# KiCad board MiniCalc_A.kicad_pcb (continued)
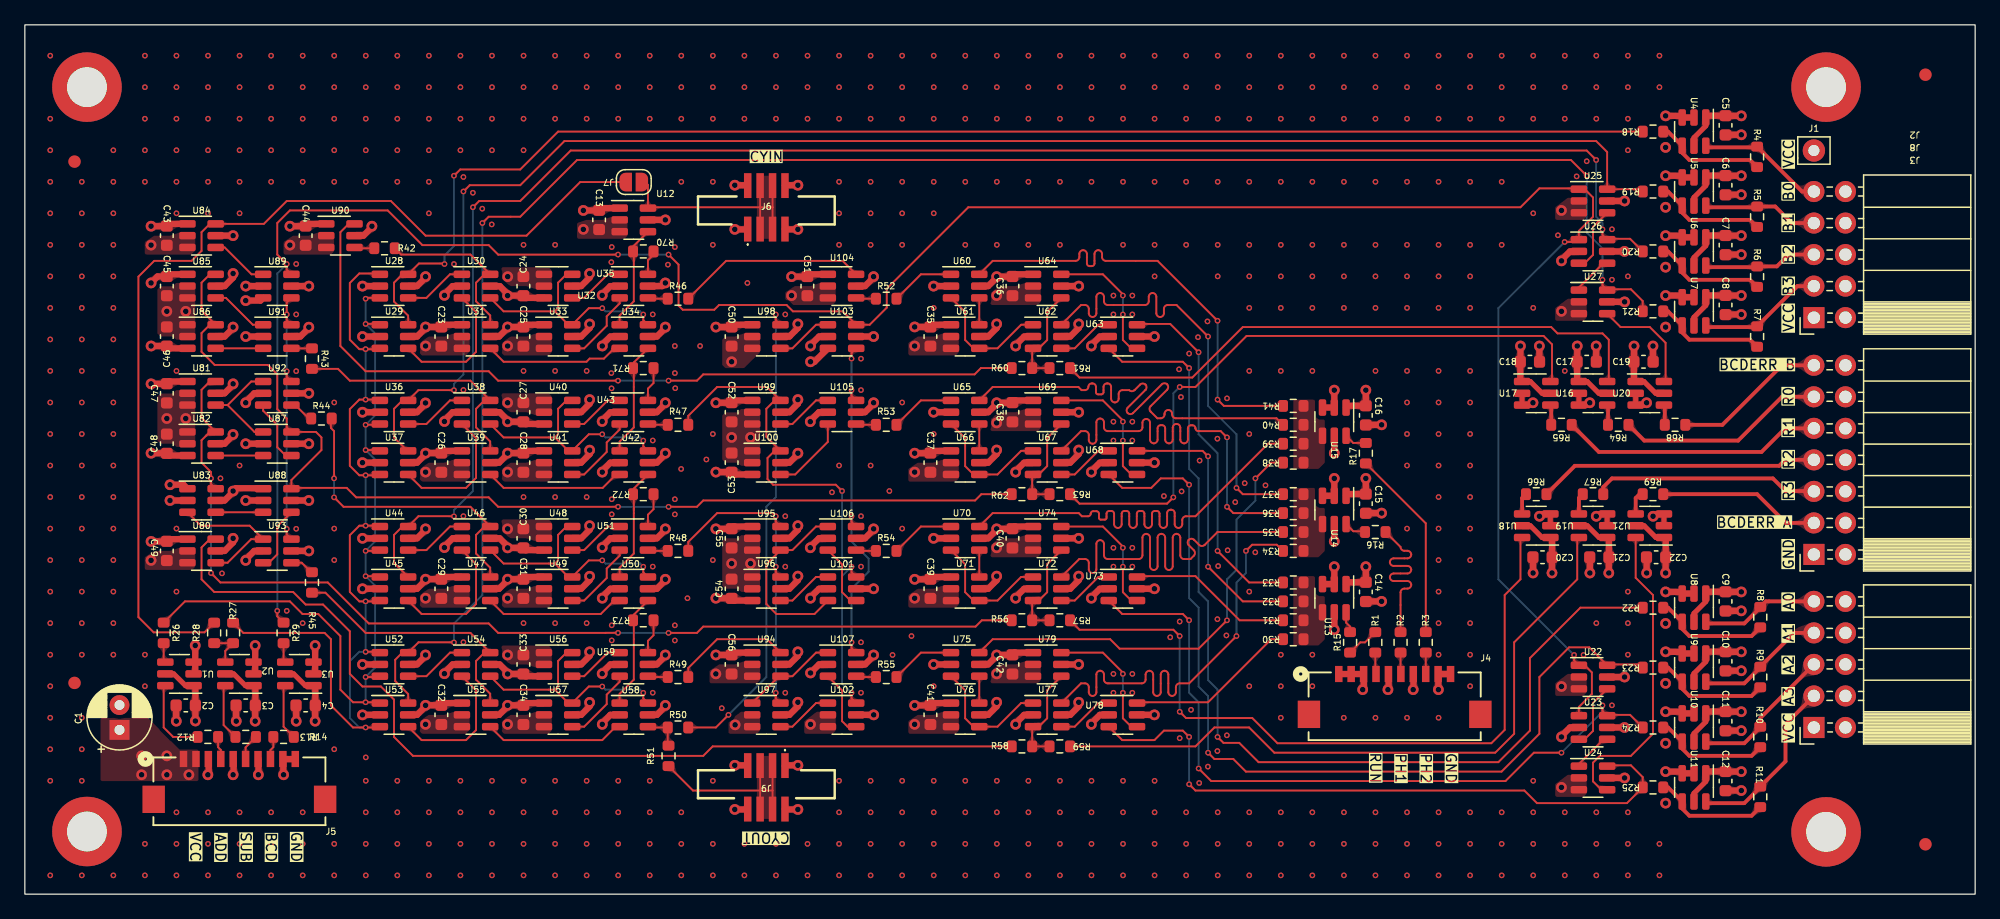
[diagram p0: board, top side]
## Routing (per net, layer and track width the routed paths; a pad name or vN(x,y) marks a point on that pad's centre or on a via; arc(x,y) is an arc through that point) (continued)
/BCDErrA: length 25.1
  Top w0.152: U21.6 129.67,25.49 131.06,24.1 131.06,12.92 129.29,11.14 126.79,11.14 126.24,10.6 126.24,9.09 126.91,8.42 U24.4
/BCDErrB: length 8.8
  Top w0.152: U27.4 128.46,45.69 130.81,45.69 132.08,44.42 132.08,41.44 U20.6
/Cin: length 8.4
  Top w0.152: U34.1 47.88,46.63 49.02,47.76 49.02,51.47 ; U12.4 48.96,52.17 48.96,51.53
/Cin_I: length 19.6
  Top w0.152: 59.18,55.34 59.19,55.35 J6.2 ; 59.18,55.34 59.19,55.33 J6.2 ; 59.18,55.34 50.23,55.34 U12.6 50.16,57.14 49.67,57.63 ; 59.18,55.34 60.2,55.34 60.19,55.35 ; 60.19,55.35 J6.3 ; 60.19,55.35 J6.3
/Cout: length 16.2
  Top w0.152: 60.19,8.34 60.19,6.85 ; 60.19,10.35 60.19,8.36 60.18,8.35 53.78,8.35 R51.1 ; 59.19,6.85 59.19,10.35
/IN0/I: length 6.5
  Top w0.152: R12.2 11.94,12.67 11.18,13.43 11.18,16.67 U1.6
/IN0/O: length 1.6
  Top w0.152: U1.4 11.18,18.83 R26.1
/IN1/I: length 4.6
  Top w0.152: R13.2 16,13.62 16,16.67 U2.6
/IN1/O: length 3.3
  Top w0.152: R28.1 R27.1 16.13,19.6 U2.4
/IN2/I: length 4.5
  Top w0.152: U3.6 20.83,16.67 20.83,13.49 R14.2
/IN2/O: length 1.6
  Top w0.152: U3.4 20.83,18.83 R29.1
/IN3/I: length 10.3
  Top w0.305: J2.9 143.06,56.61 139.45,60.23 139.38,60.17 135.45,60.17 U4.6
/IN3/O: length 9.1
  Top w0.305: 139.45,58.58 138.87,59.15 133.99,59.15 133.42,59.73 U4.4 132.28,61.44 R18.1
/IN4/I: length 9.3
  Top w0.305: U5.6 135.45,55.34 139.38,55.34 139.45,55.4 140.91,55.4 142.24,54.07 J2.7
/IN4/O: length 9.1
  Top w0.305: R5.2 138.87,54.32 133.99,54.32 133.42,54.9 U5.4 132.28,56.61 R19.1
/IN5/I: length 9.2
  Top w0.305: J2.5 141.99,51.53 141.03,50.58 R6.1 139.38,50.51 135.45,50.51 U6.6
/IN5/O: length 9.1
  Top w0.305: R6.2 138.87,49.5 133.99,49.5 133.42,50.08 U6.4 132.28,51.78 R20.1
/IN6/I: length 10.1
  Top w0.305: U7.6 135.45,45.69 139.38,45.69 R7.1 142.68,48.99 J2.3
/IN6/O: length 9.1
  Top w0.305: R21.1 132.28,46.96 U7.4 133.42,45.25 133.99,44.67 138.87,44.67 R7.2
/IN7/I: length 9.5
  Top w0.305: J3.9 140.15,23.59 R8.1 139.7,23.09 138.42,21.81 135.45,21.81 U8.6
/IN7/O: length 9.4
  Top w0.305: R22.1 132.28,23.08 U8.4 133.42,21.37 133.99,20.8 139,20.8 R8.2
/IN8/I: length 10.6
  Top w0.305: J3.7 142.43,21.05 R9.1 139.7,18.27 138.42,16.99 135.45,16.99 U9.6 135.39,17.05
/IN8/O: length 9.4
  Top w0.305: 139.7,16.67 139,15.97 133.99,15.97 133.42,16.55 U9.4 132.28,18.26 R23.1
/IN9/I: length 11.9
  Top w0.305: J3.5 139.7,14.19 R10.1 139.7,13.44 138.42,12.16 135.45,12.16 U10.6 135.39,12.22
/IN9/O: length 9.4
  Top w0.305: R24.1 132.28,13.43 U10.4 133.42,11.72 133.99,11.14 139,11.14 R10.2
/IN10/I: length 14.2
  Top w0.305: 135.39,7.4 U11.6 135.45,7.33 138.42,7.33 139.7,8.62 R11.1 141.73,10.7 141.73,13.68 J3.3
/IN10/O: length 9.4
  Top w0.305: R25.1 132.28,8.6 U11.4 133.42,6.9 133.99,6.32 139,6.32 R11.2
/IN12/I: length 1.7
  Top w0.152: U13.6 106.36,21.88 106.68,21.56 R15.2
/IN13/I: length 1.8
  Top w0.152: 107.95,29.24 106.94,29.24 U14.6
/IN14/I: length 1.8
  Top w0.152: R17.2 106.94,36.35 U15.6
/Mini_6+/E: length 21.7
  Top w0.152: U92.6 21.08,41.68 v1(21.08,42.13) ; U93.6 21.08,28.98 v1(21.08,29.43) ; U89.4 21.08,47.66 v1(21.08,46.7) 21.08,46.25 U91.6
  Bottom w0.152: v1(21.08,46.7) v1(21.08,42.13) v1(21.08,29.43)
/Mini_6+/I0: length 66.2
  Top w0.152: v1(51.82,41.37) 54.11,41.37 54.61,41.88 76.45,41.88 76.96,42.39 R60.1 ; v1(47.75,41.37) 38.1,41.37 37.34,42.13 27.43,42.13 25.4,44.16 25.4,53.33 26.07,54 U90.6
  Bottom w0.152: v1(47.75,41.37) 51.82,41.37 v1(51.82,41.37)
/Mini_6+/I1: length 87
  Top w0.152: U85.6 14.9,49.94 14.22,49.27 14.22,47.01 U86.6 14.89,45.88 14.22,45.21 14.22,43.7 15.28,42.64 19.56,42.64 20.32,41.88 20.32,39.08 21.08,38.32 21.08,37.62 U87.6 23.43,37.24 23.88,36.8 23.88,35.78 21.46,33.36 U88.6 21.52,32.73 25.91,32.73 26.67,31.97 37.34,31.97 38.1,31.21 47.75,31.21 ; R62.1 77,32.23 76.49,31.72 54.61,31.72 54.1,31.21 51.82,31.21 ; 47.75,31.21 47.75,31.21
  Bottom w0.152: v1(51.82,31.21) 47.76,31.21 47.75,31.21
  vias: v1(47.75,31.21)
/Mini_6+/I2: length 85.6
  Top w0.152: R56.1 77.04,22.07 76.53,21.56 54.61,21.56 54.1,21.05 v1(51.82,21.05) ; U83.6 14.99,33.04 v1(14.99,33.5) 14.99,34 14.22,34.77 14.22,36.57 14.62,36.97 14.63,36.97 14.9,37.24 U82.6 14.22,38.38 14.22,40.63 14.89,41.3 U81.6 ; v1(47.75,21.05) 46.74,21.05 46.74,21.05 38.1,21.05 37.34,21.81 27.69,21.81 24.38,25.11 15.74,25.11 v1(14.99,25.87)
  Bottom w0.152: v1(47.75,21.05) 47.76,21.05 v1(51.82,21.05) ; v1(14.99,25.87) v1(14.99,33.5)
/Mini_6+/I3: length 79.2
  Top w0.152: R58.1 55.37,11.91 54.61,11.14 31.24,11.14 29.72,12.67 29.72,15.68 28.66,16.73 27.18,16.73 26.16,17.75 26.16,21.18 24,23.34 22.61,23.34 21.59,24.35 15.24,24.35 14.22,25.37 14.22,27.93 14.89,28.6 U80.6
/Mini_6+/Q0: length 1.6
  Top w0.152: U90.4 26.6,52.04 R42.1
/Mini_6+/Q1: length 1.7
  Top w0.152: U91.4 21.46,43.97 R43.1
/Mini_6+/Q2: length 2
  Top w0.152: R44.1 22.86,38.32 21.78,39.4 U92.4
/Mini_6+/Q3: length 2
  Top w0.152: 23.11,25.94 23.05,25.94 22.29,26.7 U93.4
/Mini_6-//EN: length 38.5
  Top w0.152: R50.2 55.63,13.43 v1(56.64,14.45) ; U98.6 60.45,46.25 v1(60.45,46.7)
  Bottom w0.152: v1(60.45,46.7) 60.45,31.97 59.69,31.21 59.69,17.49 v1(56.64,14.45)
/Mini_6-/E: length 27.9
  Top w0.152: U103.4 66.55,43.6 v1(66.55,43.15) ; 66.91,19.46 66.55,19.83 v1(66.55,20.29) ; U106.6 66.55,29.99 v1(66.55,30.45) ; v1(66.55,40.61) 66.55,40.15 U105.6
  Bottom w0.152: v1(66.55,43.15) v1(66.55,40.61) v1(66.55,30.45) 66.55,28.42 67.92,27.04 67.92,25.98 66.55,24.61 v1(66.55,20.29)
/Mini_6-/I0: length 15.2
  Top w0.152: U104.6 65.83,51.02 56.45,51.02 R46.2
/Mini_6-/I1: length 43.4
  Top w0.152: v1(66.55,16.22) 66.55,15.77 U102.6 ; v1(65.79,32.48) 65.28,32.99 60.24,32.99 59.78,33.44 59.78,35.14 60.36,35.72 U100.6 59.69,36.85 59.69,39.11 60.36,39.78 U99.6 59.75,40.86 55.73,40.86 53.4,38.54 R47.2 ; U101.6 66.55,25.93 v1(66.55,26.38)
  Bottom w0.152: v1(65.79,32.48) 65.79,27.15 v1(66.55,26.38) 65.79,25.62 65.79,16.99 v1(66.55,16.22)
/Mini_6-/I2: length 26
  Top w0.152: R48.2 53.4,28.38 55.73,30.7 60.2,30.7 v1(60.45,30.45) 60.45,30 U95.6 ; v1(60.45,26.38) 60.45,25.93 U96.6 ; v1(60.45,16.22) 60.45,15.77 U97.6
  Bottom w0.152: v1(60.45,30.45) v1(60.45,26.38) v1(60.45,16.22)
/Mini_6-/I3: length 9.6
  Top w0.152: R49.2 53.4,18.22 55.73,20.54 59.75,20.54 U94.6
/Mini_6-/Q0: length 1.6
  Top w0.152: U104.4 66.98,47.97 R52.1
/Mini_6-/Q1: length 1.6
  Top w0.152: U105.4 66.98,37.81 R53.1
/Mini_6-/Q2: length 1.6
  Top w0.152: U106.4 66.98,27.65 R54.1
/Mini_6-/Q3: length 1.6
  Top w0.152: 66.91,17.56 66.98,17.49 R55.1
/MiniAlu_A_1Bit0/A: length 13.8
  Top w0.152: R42.2 30.29,51.53 35.87,51.53 U30.6 37,49.94 36.32,49.27 36.32,47.76 37.46,46.63 U31.6
/MiniAlu_A_1Bit0/ALUA_Q: length 1.6
  Top w0.152: U35.4 50.23,47.97 51.75,47.97
/MiniAlu_A_1Bit0/Cout: length 9.2
  Top w0.152: U34.4 49.02,42.84 49.02,37.6 47.88,36.47 U42.1
/MiniAlu_A_1Bit1/A: length 20.7
  Top w0.152: R43.2 25.21,42.32 26.16,41.37 35.87,41.37 U38.6 37,39.78 36.32,39.11 36.32,37.6 37.46,36.47 U39.6
/MiniAlu_A_1Bit1/ALUA_Q: length 1.6
  Top w0.152: 51.75,37.81 50.23,37.81 U43.4
/MiniAlu_A_1Bit1/Cout: length 9.4
  Top w0.152: U42.4 49.02,32.68 49.02,30.96 ; 49.02,31.15 49.02,27.44 47.88,26.31 U50.1
/MiniAlu_A_1Bit2/A: length 25.3
  Top w0.152: R44.2 24.64,38.26 24.64,37.56 24.89,37.31 v1(24.89,33.5) ; U47.6 37.46,26.31 36.32,27.44 36.32,28.95 37,29.62 U46.6 35.87,31.21 25.65,31.21 v1(24.89,31.97)
  Bottom w0.152: v1(24.89,33.5) v1(24.89,31.97)
/MiniAlu_A_1Bit2/ALUA_Q: length 1.6
  Top w0.152: U51.4 50.23,27.65 51.75,27.65
/MiniAlu_A_1Bit2/Cout: length 9.2
  Top w0.152: U58.1 47.88,16.15 49.02,17.28 49.02,22.52 U50.4
/MiniAlu_A_1Bit3/A: length 21.6
  Top w0.152: R45.2 24.19,24.29 27.43,21.05 35.87,21.05 U54.6 37,19.46 36.32,18.79 36.32,17.28 37.46,16.15 U55.6
/MiniAlu_A_1Bit3/ALUA_Q: length 1.6
  Top w0.152: U59.4 50.23,17.49 51.75,17.49
/MiniAlu_A_1Bit3/Cout: length 3.1
  Top w0.152: R51.2 51.75,12.03 51.75,13.43 50.23,13.43 U58.4
/MiniReg_A_1Bit0/ALUA: length 5.2
  Top w0.152: 72.14,49.94 U60.1 ; 70.17,47.97 72.13,49.94
/MiniReg_A_1Bit0/RESULT: length 8.3
  Top w0.152: R61.2 R60.2 81.09,43.91 U62.3 81.62,43.98 82.3,44.65 82.3,46.9 U64.4
/MiniReg_A_1Bit1/ALUA: length 5.2
  Top w0.152: U65.1 72.13,39.78 70.17,37.81
/MiniReg_A_1Bit1/RESULT: length 8.3
  Top w0.152: U69.4 82.3,36.74 82.3,34.49 81.62,33.82 U67.3 81.09,33.75 R62.2 R63.2
/MiniReg_A_1Bit2/ALUA: length 5.2
  Top w0.152: U70.1 72.13,29.62 70.17,27.65
/MiniReg_A_1Bit2/RESULT: length 8.3
  Top w0.152: R57.2 R56.2 81.09,23.59 U72.3 81.62,23.66 82.3,24.33 82.3,26.58 U74.4
/MiniReg_A_1Bit3/ALUA: length 5.2
  Top w0.152: U75.1 72.13,19.46 70.17,17.49
/MiniReg_A_1Bit3/RESULT: length 8.3
  Top w0.152: U79.4 82.3,16.42 82.3,14.17 81.62,13.5 U77.3 81.09,13.43 R58.2 R59.2
/OUT0/O: length 16.9
  Top w0.305: R64.1 130.36,36.54 137.92,36.54 141.45,40.07 J8.11
/OUT1/O: length 21.2
  Top w0.305: R65.1 126.71,35.63 139.8,35.63 141.7,37.53 J8.9
/OUT2/O: length 22.7
  Top w0.305: 122.49,32.23 124.78,34.51 141.22,34.51 141.7,34.99 J8.7
/OUT3/O: length 18.2
  Top w0.305: 127.06,32.23 127.06,32.8 127.76,33.5 140.72,33.5 141.73,32.48 143.99,32.48 J8.5
/OUT4/O: length 12.3
  Top w0.305: R68.1 136.65,37.81 141.45,42.61 J8.13
/OUT5/O: length 13.1
  Top w0.305: R69.1 139.45,32.23 141.76,29.91 J8.3
/PH1A0: length 36.8
  Top w0.152: v1(97.54,32.73) 98.04,32.23 R37.2 ; U62.6 85.02,47.47 85.34,47.47 arc(85.56,47.38) 85.65,47.16 85.65,46.8 arc(85.74,46.59) 85.95,46.5 arc(86.17,46.59) 86.26,46.8 86.26,48.13 arc(86.35,48.34) 86.56,48.43 arc(86.78,48.34) 86.87,48.13 86.87,47.77 arc(86.96,47.56) 87.17,47.47 90.17,47.47 arc(90.39,47.56) 90.47,47.77 90.47,48.13 arc(90.56,48.34) 90.78,48.43 arc(91,48.34) 91.08,48.13 91.08,46.8 arc(91.17,46.59) 91.39,46.5 arc(91.6,46.59) 91.69,46.8 91.69,47.16 arc(91.78,47.38) 92,47.47 92.71,47.47 v1(95.25,44.93)
  Bottom w0.152: v1(95.25,44.93) 95.25,39.34 97.54,37.05 v1(97.54,32.73)
/PH1A1: length 36.8
  Top w0.152: v1(96.77,31.21) 97.28,30.7 R36.2 ; U67.6 85.02,37.31 85.34,37.31 arc(85.56,37.22) 85.65,37 85.65,36.59 arc(85.74,36.38) 85.95,36.29 arc(86.17,36.38) 86.26,36.59 86.26,38.02 arc(86.35,38.23) 86.56,38.32 arc(86.78,38.23) 86.87,38.02 86.87,37.61 arc(86.96,37.4) 87.17,37.31 89.66,37.31 arc(89.88,37.4) 89.97,37.61 89.97,37.99 arc(90.06,38.2) 90.27,38.29 arc(90.49,38.2) 90.58,37.99 90.58,36.63 arc(90.67,36.41) 90.88,36.32 arc(91.1,36.41) 91.19,36.63 91.19,37.54 arc(91.26,37.71) 91.42,37.78 91.56,37.78 arc(91.73,37.71) 91.8,37.54 91.8,36.63 arc(91.88,36.41) 92.1,36.32 arc(92.32,36.41) 92.41,36.63 92.41,37.59 arc(92.49,37.8) 92.69,37.88 92.73,37.88 arc(92.93,37.8) 93.01,37.59 93.01,36.63 arc(93.1,36.41) 93.32,36.32 arc(93.54,36.41) 93.62,36.63 93.62,37.54 arc(93.69,37.71) 93.86,37.78 94,37.78 arc(94.17,37.71) 94.23,37.54 arc(94.3,37.37) 94.47,37.31 96.27,37.31 v1(96.77,36.8)
  Bottom w0.152: v1(96.77,36.8) v1(96.77,31.21)
/PH1A2: length 40
  Top w0.152: U72.6 84.88,27 85.34,27 arc(85.56,26.91) 85.65,26.7 85.65,26.18 arc(85.74,25.97) 85.95,25.88 arc(86.17,25.97) 86.26,26.18 86.26,28.22 arc(86.35,28.43) 86.56,28.52 arc(86.78,28.43) 86.87,28.22 86.87,27.3 arc(86.96,27.09) 87.17,27 89.71,27 arc(89.89,27.11) 89.97,27.3 89.97,28.73 arc(90.06,28.94) 90.27,29.03 arc(90.49,28.94) 90.58,28.73 90.58,26.42 arc(90.67,26.21) 90.88,26.12 arc(91.1,26.21) 91.19,26.42 91.19,28.73 arc(91.28,28.94) 91.49,29.03 arc(91.71,28.94) 91.8,28.73 91.8,26.42 arc(91.88,26.21) 92.1,26.12 arc(92.32,26.21) 92.41,26.42 92.41,28.73 arc(92.49,28.94) 92.71,29.03 arc(92.93,28.94) 93.01,28.73 93.01,27.3 arc(93.1,27.09) 93.32,27 93.83,27 94.11,27.27 arc(94.2,27.49) 94.11,27.7 93.69,28.12 arc(93.6,28.33) 93.69,28.55 arc(93.91,28.64) 94.12,28.55 94.54,28.14 arc(94.75,28.05) 94.97,28.14 96.01,29.18 R35.2 101.18,29.28
/PH1A3: length 37
  Top w0.152: U77.6 85.02,16.99 85.34,16.99 arc(85.56,16.9) 85.65,16.68 85.65,16.27 arc(85.74,16.06) 85.95,15.97 arc(86.17,16.06) 86.26,16.27 86.26,17.7 arc(86.35,17.91) 86.56,18 arc(86.78,17.91) 86.87,17.7 86.87,17.29 arc(86.96,17.08) 87.17,16.99 89.92,16.99 arc(90.13,17.08) 90.22,17.29 90.22,17.69 arc(90.31,17.91) 90.53,18 arc(90.74,17.91) 90.83,17.69 90.83,16.28 arc(90.92,16.06) 91.14,15.97 arc(91.35,16.06) 91.44,16.28 91.44,17.69 arc(91.53,17.91) 91.74,18 arc(91.96,17.91) 92.05,17.69 92.05,16.28 arc(92.14,16.06) 92.35,15.97 arc(92.57,16.06) 92.66,16.28 92.66,16.68 arc(92.75,16.9) 92.96,16.99 93.73,16.99 v1(97.54,20.8) ; v1(98.3,27.65) 98.8,28.15 100.79,28.15 R34.2
  Bottom w0.152: v1(98.3,27.65) 98.3,25.88 97.54,25.11 v1(97.54,20.8)
/PH2A0: length 36.8
  Top w0.152: v1(96.01,46.2) 91.19,51.02 87.02,51.02 arc(86.8,51.11) 86.72,51.33 86.72,51.58 arc(86.63,51.79) 86.41,51.88 arc(86.2,51.79) 86.11,51.58 86.11,50.81 arc(86.04,50.66) 85.9,50.6 85.71,50.6 arc(85.56,50.66) 85.5,50.81 85.5,51.58 arc(85.41,51.79) 85.19,51.88 arc(84.98,51.79) 84.89,51.58 84.89,51.33 arc(84.8,51.11) 84.58,51.02 77.91,51.02 U60.6 ; v1(96.01,39.85) 96.52,39.34 R41.2
  Bottom w0.152: v1(96.01,46.2) v1(96.01,39.85)
/PH2A1: length 39.9
  Top w0.152: R40.2 100.76,38.34 92.66,38.34 arc(92.44,38.43) 92.35,38.65 92.35,38.71 arc(92.27,38.92) 92.05,39.01 arc(91.83,38.92) 91.74,38.71 91.74,38.65 arc(91.66,38.43) 91.44,38.34 91.17,38.34 90.62,38.88 arc(90.53,39.1) 90.62,39.31 91.95,40.64 arc(92.04,40.86) 91.95,41.08 arc(91.74,41.16) 91.52,41.08 89.21,38.76 arc(88.99,38.67) 88.78,38.76 arc(88.69,38.98) 88.78,39.19 90.21,40.62 arc(90.3,40.84) 90.21,41.05 arc(89.99,41.14) 89.78,41.05 89.33,40.61 arc(89.12,40.52) 88.9,40.61 88.36,40.61 arc(88.14,40.52) 88.05,40.3 88.05,39.92 arc(87.96,39.71) 87.75,39.62 arc(87.53,39.71) 87.44,39.92 87.44,40.88 arc(87.36,41.07) 87.17,41.15 87.1,41.15 arc(86.91,41.07) 86.83,40.88 86.83,40.44 arc(86.78,40.32) 86.66,40.27 86.39,40.27 arc(86.27,40.32) 86.22,40.44 86.22,40.88 arc(86.14,41.07) 85.95,41.15 85.88,41.15 arc(85.69,41.07) 85.61,40.88 arc(85.53,40.69) 85.34,40.61 85.06,40.61 84.81,40.86 77.91,40.86 U65.6
/PH2A2: length 39.9
  Top w0.152: U70.6 77.91,30.7 84.84,30.7 85.09,30.45 85.6,30.45 arc(85.74,30.51) 85.8,30.65 arc(85.86,30.8) 86.01,30.86 86.26,30.86 arc(86.41,30.8) 86.47,30.65 86.47,30.31 arc(86.51,30.22) 86.6,30.18 86.94,30.18 arc(87.04,30.22) 87.08,30.31 87.08,30.66 arc(87.14,30.81) 87.29,30.87 87.47,30.87 arc(87.62,30.81) 87.68,30.66 87.68,29.81 arc(87.77,29.59) 87.99,29.51 arc(88.21,29.59) 88.29,29.81 88.29,30.66 arc(88.36,30.81) 88.51,30.87 88.69,30.87 arc(88.84,30.81) 88.9,30.66 88.9,29.81 arc(88.99,29.59) 89.21,29.51 arc(89.42,29.59) 89.51,29.81 89.51,30.66 arc(89.58,30.81) 89.72,30.87 89.91,30.87 arc(90.06,30.81) 90.12,30.66 90.12,29.81 arc(90.21,29.59) 90.43,29.51 arc(90.64,29.59) 90.73,29.81 90.73,30.66 arc(90.79,30.81) 90.94,30.87 91.13,30.87 arc(91.28,30.81) 91.34,30.66 91.34,29.81 arc(91.43,29.59) 91.65,29.51 arc(91.86,29.59) 91.95,29.81 91.95,30.71 arc(92.03,30.9) 92.21,30.97 92.3,30.97 arc(92.48,30.9) 92.56,30.71 92.56,29.81 arc(92.65,29.59) 92.87,29.51 arc(93.08,29.59) 93.17,29.81 93.17,30.14 arc(93.26,30.36) 93.48,30.45 94.23,30.45 100.08,36.29 R39.2
/PH2A3: length 36.8
  Top w0.152: U75.6 77.91,20.54 87.37,20.54 88.13,19.78 94.49,19.78 v1(96.77,22.07) ; v1(99.06,33.5) 100.33,34.77 R38.2
  Bottom w0.152: v1(99.06,33.5) 99.06,31.72 97.54,30.19 97.54,26.13 96.77,25.37 v1(96.77,22.07)
/RESULT0: length 49.2
  Top w0.152: R61.1 84.9,41.62 93.98,41.62 98.04,45.69 122.87,45.69 123.38,45.18 127,45.18 127.51,44.67 127.51,41.44 U16.6
/RESULT1: length 53
  Top w0.152: v1(92.46,31.97) 91.95,31.46 84.9,31.46 R63.1 ; U17.6 122.94,41.44 122.94,44.3 122.26,44.98 98.35,44.98 94.23,40.86 v1(92.96,40.86)
  Bottom w0.152: v1(92.46,31.97) 92.46,40.35 v1(92.96,40.86)
/RESULT2: length 59.7
  Top w0.152: 120.06,28.74 U18.6 120.4,28.6 120.4,25.37 119.13,24.1 119.13,13.23 118.05,12.16 100.84,12.16 98.81,14.19 93.47,14.19 v1(92.96,14.7) ; v1(92.96,20.8) 92.46,21.3 84.9,21.3 R57.1
  Bottom w0.152: v1(92.96,20.8) v1(92.96,14.7)
/RESULT3: length 55.8
  Top w0.152: R59.1 94.23,11.91 95.76,13.43 98.55,13.43 100.58,11.4 118.36,11.4 119.89,12.92 119.89,20.29 124.97,25.37 124.97,28.6 U19.6
/RUNA0: length 28.9
  Top w0.152: R33.2 98.55,25.11 v1(96.01,27.65) ; v1(94.49,43.66) 92.2,45.94 89.6,45.94 U63.6
  Bottom w0.152: v1(96.01,27.65) 96.01,35.53 94.49,37.05 v1(94.49,43.66)
/RUNA1: length 22.1
  Top w0.152: v1(95.25,26.38) 98.04,23.59 R32.2 ; 89.6,35.78 U68.6 94.81,35.72 v1(95.25,35.27)
  Bottom w0.152: v1(95.25,35.27) v1(95.25,26.38)
/RUNA2: length 13.3
  Top w0.152: 101.31,22.07 97.79,22.07 94.23,25.62 89.6,25.62 U73.6
/RUNA3: length 14.3
  Top w0.152: U78.6 89.6,15.46 95.25,15.46 100.33,20.54 R30.2 100.84,20.54
/SUB: length 69.9
  Top w0.152: U29.3 28.51,43.91 v1(27.43,43.91) 26.92,43.91 26.16,44.67 26.16,49.24 26.92,50.01 28.51,50.01 U28.1 ; U44.1 28.51,29.69 v1(27.43,29.69) 26.92,29.69 26.16,28.92 26.16,24.35 26.92,23.59 v1(27.43,23.59) 28.51,23.59 U45.3 ; U36.1 28.51,39.85 v1(27.43,39.85) 26.92,39.85 26.16,39.08 26.16,34.51 26.92,33.75 v1(27.43,33.75) 28.51,33.75 U37.3 ; 16.76,21.88 17.59,21.05 24.13,21.05 24.64,20.54 24.64,15.21 26.42,13.43 v1(27.43,13.43) 28.51,13.43 U53.3 ; U52.1 28.51,19.53 v1(27.43,19.53)
  Bottom w0.152: v1(27.43,43.91) v1(27.43,39.85) ; v1(27.43,23.59) v1(27.43,19.53) 26.92,19.53 26.16,18.76 26.16,14.19 26.92,13.43 v1(27.43,13.43) ; v1(27.43,29.69) v1(27.43,33.75)
/SUB_I: length 80.1
  Top w0.152: U84.6 14.89,54 14.22,53.33 14.22,51.82 13.42,51.02 10.41,51.02 9.14,49.75 9.14,22.32 10.37,21.09 14.46,21.09 15.24,21.88 ; U84.6 19.24,54 21.08,55.85 29.46,55.85 32.26,53.05 40.39,53.05 44.7,57.37 J7.2 ; U84.6 15.24,54.13
Net-(J4-Pad4): length 1.8
  Top w0.152: R1.1 108.71,17.81 108.79,17.74
Net-(J4-Pad6): length 1.7
  Top w0.152: 110.79,17.74 110.74,17.78 R2.1
Net-(J4-Pad8): length 1.7
  Top w0.152: R3.1 112.78,17.75 112.79,17.74
Net-(J5-Pad4): length 1.9
  Top w0.152: R12.1 15.56,11.84 15.77,11.63 J5.4
Net-(J5-Pad6): length 2.1
  Top w0.152: R13.1 17.77,11.83 J5.6
Net-(J5-Pad8): length 1.9
  Top w0.152: J5.8 19.77,11.61 20,11.84 R14.1
Net-(R1-Pad2): length 3
  Top w0.152: 106.43,19.46 R15.1 107.5,20.29 107.89,20.29 R1.2
Net-(R16-Pad1): length 15.6
  Top w0.152: R2.2 110.74,24.31 arc(110.83,24.53) 111.05,24.62 111.3,24.62 arc(111.51,24.71) 111.6,24.92 arc(111.51,25.14) 111.3,25.23 110.19,25.23 arc(109.97,25.32) 109.88,25.53 arc(109.97,25.75) 110.19,25.84 111.3,25.84 arc(111.51,25.93) 111.6,26.14 arc(111.51,26.36) 111.3,26.45 110.19,26.45 arc(109.97,26.54) 109.88,26.75 arc(109.97,26.97) 110.19,27.06 111.3,27.06 arc(111.51,27.15) 111.6,27.36 arc(111.51,27.58) 111.3,27.67 111.05,27.67 arc(110.83,27.76) 110.74,27.97 R16.1
Net-(R17-Pad1): length 15.6
  Top w0.152: R3.2 112.78,29.88 R17.1
Net-(R64-Pad2): length 1.6
  Top w0.305: U16.4 127.44,39.33 127.44,37.81
Net-(R65-Pad2): length 1.6
  Top w0.305: R65.2 122.87,39.33 U17.4
Net-(R66-Pad2): length 1.7
  Top w0.305: U18.4 120.53,31.91 R66.2
Net-(R67-Pad2): length 1.7
  Top w0.305: R67.2 125.1,31.91 U19.4
Net-(R68-Pad2): length 1.6
  Top w0.305: U20.4 132.02,39.33 132.02,37.81
Net-(R69-Pad2): length 1.7
  Top w0.305: U21.4 129.67,31.91 129.98,32.23
Net-(R70-Pad1): length 1.8
  Top w0.152: 50.61,51.53 50.16,51.08 U35.6
Net-(R71-Pad1): length 2.8
  Top w0.152: R71.1 50.61,41.18 50.16,40.73 U43.6
Net-(R72-Pad1): length 2.8
  Top w0.152: U51.6 50.16,30.57 50.61,31.02 R72.1
Net-(R73-Pad1): length 2.8
  Top w0.152: U59.6 50.16,20.41 50.61,20.86 R73.1
Net-(U22-Pad4): length 5.3
  Top w0.152: U23.3 125.56,12.48 126.24,13.15 126.24,15.41 U22.4
Net-(U23-Pad4): length 3.3
  Top w0.152: U24.1 125.1,10.49 127.09,12.48 U23.4
Net-(U25-Pad4): length 5.3
  Top w0.152: U26.3 125.56,50.83 126.24,51.51 126.24,53.76 U25.4
Net-(U26-Pad4): length 3.3
  Top w0.152: U27.1 125.1,48.87 127.07,50.83 U26.4
Net-(U28-Pad4): length 5.1
  Top w0.152: U28.4 32.32,48.04 34.22,49.94 U30.1
Net-(U29-Pad4): length 11.1
  Top w0.152: U29.4 31.94,42.89 35.52,42.89 36.32,43.7 36.32,46.9 U30.3
Net-(U30-Pad4): length 18.8
  Top w0.152: U30.4 38.54,46.96 42.67,46.96 ; v1(46.48,47.21) 45.4,47.21 U33.6 43.75,45.88 42.67,46.96 ; U34.6 49.78,46.25 v1(49.78,46.7) ; 42.67,46.96 42.93,47.21 42.93,49.27 43.6,49.94 U32.6
  Bottom w0.152: v1(49.78,46.7) 49.53,46.96 46.74,46.96 v1(46.48,47.21)
Net-(U31-Pad4): length 11.4
  Top w0.152: U31.4 38.54,42.89 45.21,42.89 45.47,43.15 46.62,43.15 47.29,43.83 47.29,43.98 U34.3
Net-(U32-Pad4): length 4.6
  Top w0.152: U35.1 46.92,49.94 45.02,48.04 U32.4
Net-(U33-Pad4): length 6.2
  Top w0.152: U35.3 47.88,47.6 46.84,46.55 46.84,45.79 45.02,43.98 U33.4
Net-(U36-Pad4): length 5.1
  Top w0.152: U38.1 34.22,39.78 32.32,37.88 U36.4
Net-(U37-Pad4): length 11.1
  Top w0.152: U38.3 36.32,36.74 36.32,33.54 35.52,32.73 31.94,32.73 U37.4
Net-(U38-Pad4): length 18.8
  Top w0.152: U42.6 49.78,36.09 v1(49.78,36.54) ; U40.6 43.6,39.78 42.93,39.11 42.93,37.05 42.67,36.8 ; v1(46.48,37.05) 45.4,37.05 U41.6 43.75,35.72 42.67,36.8 ; 42.67,36.8 38.54,36.8 U38.4
  Bottom w0.152: v1(49.78,36.54) 49.53,36.8 46.74,36.8 v1(46.48,37.05)
Net-(U39-Pad4): length 11.3
  Top w0.152: U39.4 38.54,32.73 46.52,32.73 47.6,33.82 U42.3
Net-(U40-Pad4): length 4.6
  Top w0.152: U43.1 46.92,39.78 45.02,37.88 U40.4
Net-(U41-Pad4): length 6.2
  Top w0.152: U43.3 47.88,37.44 46.84,36.39 46.84,35.63 45.02,33.82 U41.4
Net-(U44-Pad4): length 5.1
  Top w0.152: U46.1 34.22,29.62 32.32,27.72 U44.4
Net-(U45-Pad4): length 11.1
  Top w0.152: U46.3 36.32,26.58 36.32,23.38 35.52,22.57 31.94,22.57 U45.4
Net-(U46-Pad4): length 18.8
  Top w0.152: U48.6 43.6,29.62 42.93,28.95 42.93,26.89 42.67,26.64 ; v1(46.48,26.89) 45.4,26.89 U49.6 43.75,25.56 42.67,26.64 ; 42.67,26.64 38.54,26.64 U46.4 ; v1(49.78,26.38) 49.78,25.93 U50.6
  Bottom w0.152: v1(49.78,26.38) 49.53,26.64 46.74,26.64 v1(46.48,26.89)
Net-(U47-Pad4): length 11.4
  Top w0.152: U47.4 38.54,22.57 46.36,22.57 47.29,23.51 47.29,23.66 U50.3
Net-(U48-Pad4): length 4.6
  Top w0.152: U51.1 46.92,29.62 45.02,27.72 U48.4
Net-(U49-Pad4): length 6.2
  Top w0.152: U51.3 47.88,27.28 46.84,26.23 46.84,25.47 45.02,23.66 U49.4
Net-(U52-Pad4): length 5.1
  Top w0.152: U54.1 34.22,19.46 32.32,17.56 U52.4
Net-(U53-Pad4): length 11.1
  Top w0.152: U54.3 36.32,16.42 36.32,13.22 35.52,12.41 31.94,12.41 U53.4
Net-(U54-Pad4): length 18.8
  Top w0.152: 42.67,16.48 42.93,16.73 42.93,18.79 43.6,19.46 U56.6 ; 42.67,16.48 38.54,16.48 U54.4 ; 42.67,16.48 43.75,15.4 U57.6 45.4,16.73 v1(46.48,16.73) ; U58.6 49.78,15.77 v1(49.78,16.22)
  Bottom w0.152: v1(49.78,16.22) 49.53,16.48 46.74,16.48 v1(46.48,16.73)
Net-(U55-Pad4): length 11.3
  Top w0.152: U55.4 38.54,12.41 46.48,12.41 47.56,13.5 U58.3
Net-(U56-Pad4): length 4.6
  Top w0.152: U59.1 46.92,19.46 45.02,17.56 U56.4
Net-(U57-Pad4): length 6.2
  Top w0.152: U57.4 45.02,13.5 46.84,15.31 46.84,16.07 47.88,17.12 U59.3
Net-(U60-Pad3): length 10.4
  Top w0.152: U60.3 75.69,46.9 75.69,44.65 76.37,43.98 U61.4 78.3,43.98 80.2,45.88 U62.1
Net-(U60-Pad4): length 2.2
  Top w0.152: U60.4 U61.6
Net-(U62-Pad4): length 4.6
  Top w0.152: U63.1 86.41,45.88 84.51,43.98 U62.4
Net-(U63-Pad4): length 10.7
  Top w0.152: v1(88.39,46.7) 88.39,44.65 89.07,43.98 U63.4 ; v1(88.39,48.23) 88.39,48.33 86.78,49.94 U64.6
  Bottom w0.152: v1(88.39,46.7) v1(88.39,48.23)
Net-(U65-Pad3): length 10.4
  Top w0.152: U67.1 80.2,35.72 78.3,33.82 U66.4 76.37,33.82 75.69,34.49 75.69,36.74 U65.3
Net-(U65-Pad4): length 2.2
  Top w0.152: U65.4 U66.6
Net-(U67-Pad4): length 4.6
  Top w0.152: U67.4 84.51,33.82 86.41,35.72 U68.1
Net-(U68-Pad4): length 10.7
  Top w0.152: U69.6 86.78,39.78 88.39,38.17 v1(88.39,38.07) ; U68.4 89.07,33.82 88.39,34.49 v1(88.39,36.54)
  Bottom w0.152: v1(88.39,36.54) v1(88.39,38.07)
Net-(U70-Pad3): length 10.4
  Top w0.152: U72.1 80.2,25.56 78.3,23.66 U71.4 76.37,23.66 75.69,24.33 75.69,26.58 U70.3
Net-(U70-Pad4): length 2.2
  Top w0.152: U70.4 U71.6
Net-(U72-Pad4): length 4.6
  Top w0.152: U72.4 84.51,23.66 86.41,25.56 U73.1
Net-(U73-Pad4): length 10.7
  Top w0.152: v1(88.39,26.38) 88.39,24.33 89.07,23.66 U73.4 ; U74.6 86.78,29.62 88.39,28.01 v1(88.39,27.91)
  Bottom w0.152: v1(88.39,26.38) v1(88.39,27.91)
Net-(U75-Pad3): length 10.4
  Top w0.152: U75.3 75.69,16.42 75.69,14.17 76.37,13.5 U76.4 78.3,13.5 80.2,15.4 U77.1
Net-(U75-Pad4): length 2.2
  Top w0.152: U75.4 U76.6
Net-(U77-Pad4): length 4.6
  Top w0.152: U77.4 84.51,13.5 86.41,15.4 U78.1
Net-(U78-Pad4): length 10.7
  Top w0.152: v1(88.39,16.22) 88.39,14.17 89.07,13.5 U78.4 ; U79.6 86.78,19.46 88.39,17.85 v1(88.39,17.75)
  Bottom w0.152: v1(88.39,16.22) v1(88.39,17.75)
Net-(U80-Pad4): length 12.1
  Top w0.152: U83.3 14.17,29.69 18.1,29.69 U93.1 18.22,28.6 16.32,26.7 U80.4 14.9,26.7
Net-(U81-Pad4): length 8.4
  Top w0.152: 16.32,39.4 18.22,41.3 U92.1 ; 16.32,39.4 18.49,37.24 U87.1 ; 16.32,39.4 U81.4
Net-(U82-Pad4): length 3.8
  Top w0.152: U82.4 U87.3
Net-(U83-Pad4): length 3.8
  Top w0.152: U83.4 U88.3
Net-(U84-Pad4): length 4.7
  Top w0.152: U89.1 18.25,49.94 16.09,52.1 U84.4
Net-(U85-Pad4): length 4.7
  Top w0.152: U91.1 18.35,45.88 16.19,48.04 U85.4
Net-(U86-Pad4): length 3.8
  Top w0.152: U86.4 U91.3
Net-(U87-Pad4): length 5.3
  Top w0.152: U92.3 19.18,38.95 20.32,37.81 20.32,36.01 20.99,35.34 U87.4
Net-(U88-Pad4): length 5.3
  Top w0.152: U93.3 19.65,26.7 20.32,27.38 20.32,29.63 U88.4
Net-(U100-Pad4): length 6.3
  Top w0.152: U105.3 64.64,36.44 62.01,33.82 U100.4
Net-(U101-Pad1): length 4.6
  Top w0.152: U101.1 63.69,25.56 61.79,23.66 U96.4
Net-(U101-Pad3): length 15.1
  Top w0.152: U101.3 63.57,22.57 60.5,22.57 59.69,23.38 59.69,26.58 U95.4 61.79,27.72 63.69,29.62 U106.1
Net-(U101-Pad4): length 5.3
  Top w0.152: U101.4 66.46,23.66 65.79,24.33 65.79,26.57 U106.3
Net-(U102-Pad1): length 4.6
  Top w0.152: U97.4 61.79,13.5 63.69,15.4 U102.1
Net-(U102-Pad4): length 5.4
  Top w0.152: U102.4 66.23,13.5 65.79,13.94 65.79,16.41 64.64,17.56
Net-(U103-Pad1): length 4.6
  Top w0.152: U103.1 63.69,45.88 61.79,43.98 U98.4
Net-(U105-Pad1): length 4.6
  Top w0.152: U99.4 61.79,37.88 63.69,39.78 U105.1
Net-(U107-Pad1): length 7.8
  Top w0.152: 64.64,19.46 63.69,19.46 61.79,17.56 U94.4 60.72,17.56 U97.1

## Copper pours and planes (outline as drawn; the poured copper is in the pictures)
GND on Top: 123.19,55.34 123.19,54.32 125.48,54.32 125.73,54.57 125.73,56.1 124.21,56.1
GND on Top: 61.98,48.99 61.21,48.48 61.21,47.47 65.02,47.47 65.28,47.72 65.28,49.24 64.01,49.24 63.25,48.99
GND on Top: 32.51,44.93 31.75,44.42 31.75,43.4 35.56,43.4 35.81,43.65 35.81,45.18 34.54,45.18 33.78,44.93
GND on Top: 11.94,48.97 12.16,49.24 13.72,49.24 13.72,44.67 12.19,44.67 11.91,44.93 10.92,44.93 10.67,45.18 10.67,48.73 10.92,48.98
GND on Top: 10.41,27.65 9.65,27.15 9.65,26.13 13.46,26.13 13.72,26.38 13.72,27.91 12.45,27.91 11.68,27.65
GND on Top: 39.12,24.61 38.35,24.1 38.35,23.08 42.16,23.08 42.42,23.33 42.42,24.86 41.15,24.86 40.39,24.61
GND on Top: 32.51,34.77 31.75,34.26 31.75,33.24 35.56,33.24 35.81,33.49 35.81,35.02 34.54,35.02 33.78,34.77
GND on Top: 39.12,34.77 38.35,34.26 38.35,33.24 42.16,33.24 42.42,33.49 42.42,35.02 41.15,35.02 40.39,34.77
GND on Top: 123.19,16.99 123.19,15.97 125.48,15.97 125.73,16.22 125.73,17.75 124.21,17.75
GND on Top: 78.49,38.83 77.72,38.32 77.72,37.31 81.53,37.31 81.79,37.56 81.79,39.08 80.52,39.08 79.76,38.83
GND on Top: 39.12,28.67 38.35,29.18 38.35,30.19 42.16,30.19 42.42,29.94 42.42,28.42 41.15,28.42 40.39,28.67
GND on Top: 57.4,28.67 57.66,28.92 59.18,28.92 59.18,24.35 57.66,24.35 57.4,24.61 56.39,24.61 56.13,24.86 56.13,28.42 56.39,28.67
GND on Top: 55.88,18.51 55.12,18 55.12,16.99 58.93,16.99 59.18,17.24 59.18,18.76 57.91,18.76 57.15,18.51
GND on Top: 71.88,24.61 71.12,24.1 71.12,23.08 74.93,23.08 75.18,23.33 75.18,24.86 73.91,24.86 73.15,24.61
GND on Top: 56.39,44.93 56.13,44.67 56.13,42.64 56.39,42.39 57.9,42.39 59.18,43.65 59.18,45.18 57.91,45.18 57.15,44.93
GND on Top: 78.49,28.67 77.72,28.16 77.72,27.15 81.53,27.15 81.79,27.4 81.79,28.92 80.52,28.92 79.76,28.67
GND on Top: 21.59,53.05 20.83,52.55 20.83,51.53 24.64,51.53 24.89,51.78 24.89,53.31 23.62,53.31 22.86,53.05
GND on Top: 56.64,13.94 56.64,12.92 58.93,12.92 59.18,13.17 59.18,14.7 57.66,14.7
GND on Top: 78.49,18.51 77.72,18 77.72,16.99 81.53,16.99 81.79,17.24 81.79,18.76 80.52,18.76 79.76,18.51
GND on Top: 62.74,13.94 62.74,12.92 65.02,12.92 65.28,13.17 65.28,14.7 63.75,14.7
GND on Top: 71.88,44.93 71.12,44.42 71.12,43.4 74.93,43.4 75.18,43.65 75.18,45.18 73.91,45.18 73.15,44.93
GND on Top: 39.12,48.99 38.35,49.5 38.35,50.51 42.16,50.51 42.42,50.26 42.42,48.74 41.15,48.74 40.39,48.99
GND on Top: 39.12,44.93 38.35,44.42 38.35,43.4 42.16,43.4 42.42,43.65 42.42,45.18 41.15,45.18 40.39,44.93
GND on Top: 78.49,48.99 77.72,48.48 77.72,47.47 81.53,47.47 81.79,47.72 81.79,49.24 80.52,49.24 79.76,48.99
GND on Top: 32.51,24.61 31.75,24.1 31.75,23.08 35.56,23.08 35.81,23.33 35.81,24.86 34.54,24.86 33.78,24.61
GND on Top: 123.19,47.21 123.19,46.2 125.48,46.2 125.73,46.45 125.73,47.97 124.21,47.97
GND on Top: 11.94,40.34 12.16,40.61 13.72,40.61 13.72,36.04 12.19,36.04 11.91,36.29 10.92,36.29 10.67,36.54 10.67,40.09 10.92,40.34
GND on Top: 39.12,18.51 38.35,19.02 38.35,20.03 42.16,20.03 42.42,19.78 42.42,18.26 41.15,18.26 40.39,18.51
GND on Top: 45.21,54.32 44.45,54.07 44.45,52.8 48.26,52.8 48.51,53.05 48.51,54.58 47.24,54.58 46.48,54.32
GND on Top: 32.51,14.45 31.75,13.94 31.75,12.92 35.56,12.92 35.81,13.17 35.81,14.7 34.54,14.7 33.78,14.45
GND on Top: 123.19,8.86 123.19,7.84 125.48,7.84 125.73,8.09 125.73,9.62 124.21,9.62
GND on Top: 39.12,14.45 38.35,13.94 38.35,12.92 42.16,12.92 42.42,13.17 42.42,14.7 41.15,14.7 40.39,14.45
GND on Top: 71.88,14.45 71.12,13.94 71.12,12.92 74.93,12.92 75.18,13.17 75.18,14.7 73.91,14.7 73.15,14.45
GND on Top: 39.12,38.83 38.35,39.34 38.35,40.35 42.16,40.35 42.42,40.1 42.42,38.58 41.15,38.58 40.39,38.83
GND on Top: 10.41,53.05 9.65,52.55 9.65,51.53 13.46,51.53 13.72,51.78 13.72,53.31 12.45,53.31 11.68,53.05
GND on Top: 71.88,34.77 71.12,34.26 71.12,33.24 74.93,33.24 75.18,33.49 75.18,35.02 73.91,35.02 73.15,34.77
GND on Top: 57.4,38.81 57.63,39.08 59.19,39.08 59.18,34.51 57.66,34.51 57.38,34.77 56.39,34.77 56.13,35.02 56.13,38.57 56.39,38.82
GND on GND_2, GND_3: 156.72,69.82 156.72,0.22 0,0.22 0,69.82
VCC on Top: 13.97,9.11 13.97,11.65 12.45,11.65 9.91,14.21 6.1,14.19 6.1,9.11
VCC on Bottom: 0,69.82 156.72,69.82 156.72,0.22 0,0.22
/Cin_I on Top: 58.93,57.88 60.45,57.88 60.45,52.8 58.93,52.8
/Cout on Top: 58.93,11.14 60.45,11.14 60.45,6.06 58.93,6.06
/IN12/O on Top: 102.11,20.03 102.11,25.62 104.39,25.62 104.65,25.37 104.65,20.54 104.14,20.03
/IN13/O on Top: 102.11,27.15 102.11,32.73 104.39,32.73 104.65,32.48 104.65,27.65 104.14,27.15
/IN14/O on Top: 102.11,34.26 102.11,39.85 104.39,39.85 104.65,39.59 104.65,34.77 104.14,34.26

Small or netless copper shapes (teardrops, artwork), in the pictures only: 1286 on Top, 111 on Bottom

## Text on the board
F.Silkscreen: VCC | ADD | SUB | BCD | GND | CYIN | BCDERR A | BCDERR B | B0 | B1 | B2 | B3 | R0 | R1 | R2 | R3 | A0 | A1 | A2 | A3 | CYOUT | RUN | PH1 | PH2
